# Altium PCB VALVEBOARD_Kun.PcbDoc (part 3 of 13)
Units mil, origin at the board's own origin, x right, y up, seen from the top; angles counter-clockwise.
Board outline 10923.41 x 5583.88 mil, 2 copper layers (Top Layer, Bottom Layer), stack 10.8 mil thick; 1127 components, 626 nets, 3503 pads, 1418 vias.
Unrouted connection lines stored in the file: 1.
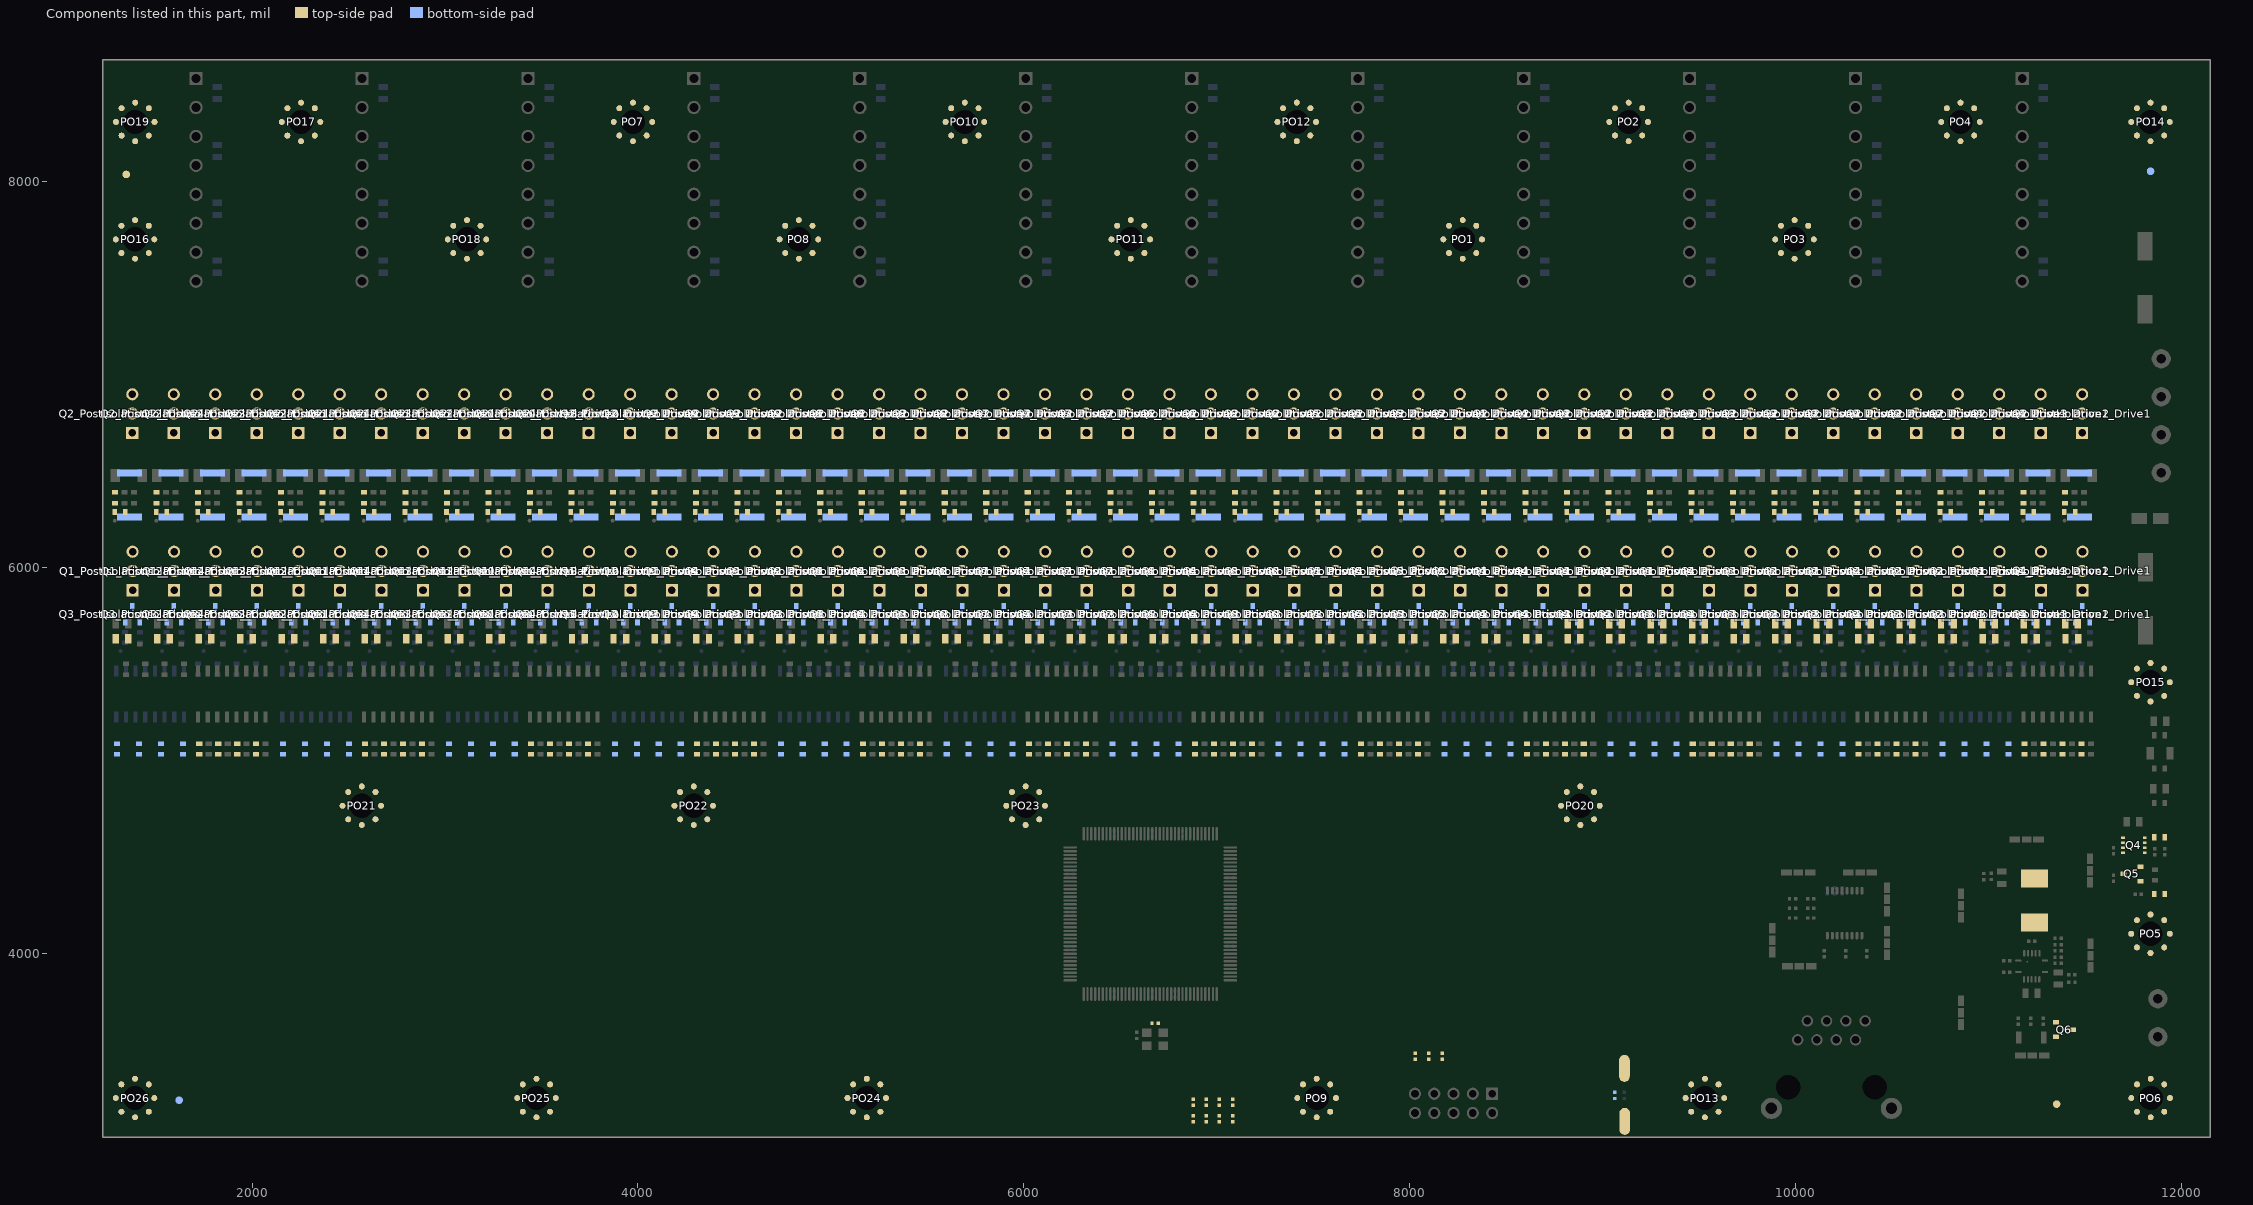
[diagram p3: the components of this part, seen from the top]

## Components (designator, comment, footprint, x,y, rotation, side; value= is the part's Value field where it differs from the comment) (continued)
KEY1 "KEY" KEY735SO 9111.96,3267.14 r90 top
L1 "BMRA000606303R3MA1" FXL0624 11238,4274.67 r90 top value=3.3uH
LED1 "LED" LED0603 11886.19,4601.99 r180 top
LED2 "LED" LED0603 11886.19,4308.02 r0 top
MK1 "MARKPOINT" MARKPOINT-1.0#1 11839.4,8053.85 r90 bottom
MK2 "MARKPOINT" MARKPOINT-1.0#1 1621.75,3239.38 r90 bottom
MK3 "MARKPOINT" MARKPOINT-1.0#2 1347.84,8037.39 r90 top
MK4 "MARKPOINT" MARKPOINT-1.0#2 11352.86,3219.25 r90 top
PO1 "POSHOLE" POSHOLE-3.2 8274.29,7700.66 r0 top
PO2 "POSHOLE" POSHOLE-3.2 9134.38,8309.6 r0 top
PO3 "POSHOLE" POSHOLE-3.2 9994.44,7700.66 r0 top
PO4 "POSHOLE" POSHOLE-3.2 10854.46,8309.6 r0 top
PO5 "POSHOLE" POSHOLE-3.2 11839.4,4101.85 r0 top
PO6 "POSHOLE" POSHOLE-3.2 11839.89,3250.51 r0 top
PO7 "POSHOLE" POSHOLE-3.2 3974.12,8309.6 r0 top
PO8 "POSHOLE" POSHOLE-3.2 4833.98,7700.66 r0 top
PO9 "POSHOLE" POSHOLE-3.2 7517.45,3250.51 r0 top
PO10 "POSHOLE" POSHOLE-3.2 5694.21,8309.6 r0 top
PO11 "POSHOLE" POSHOLE-3.2 6554.14,7700.66 r0 top
PO12 "POSHOLE" POSHOLE-3.2 7414.29,8309.6 r0 top
PO13 "POSHOLE" POSHOLE-3.2 9529.69,3250.51 r0 top
PO14 "POSHOLE" POSHOLE-3.2 11839.4,8309.6 r0 top
PO15 "POSHOLE" POSHOLE-3.2 11839.4,5405.46 r0 top
PO16 "POSHOLE" POSHOLE-3.2 1393.68,7700.66 r0 top
PO17 "POSHOLE" POSHOLE-3.2 2254.04,8309.52 r0 top
PO18 "POSHOLE" POSHOLE-3.2 3113.83,7700.66 r0 top
PO19 "POSHOLE" POSHOLE-3.2 1394.34,8309.52 r0 top
PO20 "POSHOLE" POSHOLE-3.2 8884.42,4765.56 r90 top
PO21 "POSHOLE" POSHOLE-3.2 2568.85,4765.56 r90 top
PO22 "POSHOLE" POSHOLE-3.2 4288.97,4765.56 r90 top
PO23 "POSHOLE" POSHOLE-3.2 6009.09,4765.56 r90 top
PO24 "POSHOLE" POSHOLE-3.2 5185.77,3250.51 r0 top
PO25 "POSHOLE" POSHOLE-3.2 3473.9,3250.51 r0 top
PO26 "POSHOLE" POSHOLE-3.2 1393.68,3250.51 r0 top
Q1_PostIsolation1_Drive1 "IRF9640" TO-220AB 11486.61,5982.18 r90 top (schematic designator Q1)
Q1_PostIsolation1_Drive2 "IRF9640" TO-220AB 11271.6,5982.05 r90 top (schematic designator Q1)
Q1_PostIsolation1_Drive3 "IRF9640" TO-220AB 11056.45,5982.05 r90 top (schematic designator Q1)
Q1_PostIsolation1_Drive4 "IRF9640" TO-220AB 10841.68,5982.05 r90 top (schematic designator Q1)
Q1_PostIsolation2_Drive1 "IRF9640" TO-220AB 10626.55,5982.05 r90 top (schematic designator Q1)
Q1_PostIsolation2_Drive2 "IRF9640" TO-220AB 10411.54,5982.05 r90 top (schematic designator Q1)
Q1_PostIsolation2_Drive3 "IRF9640" TO-220AB 10196.52,5982.05 r90 top (schematic designator Q1)
Q1_PostIsolation2_Drive4 "IRF9640" TO-220AB 9981.51,5982.05 r90 top (schematic designator Q1)
Q1_PostIsolation3_Drive1 "IRF9640" TO-220AB 9766.49,5982.05 r90 top (schematic designator Q1)
Q1_PostIsolation3_Drive2 "IRF9640" TO-220AB 9551.48,5982.05 r90 top (schematic designator Q1)
Q1_PostIsolation3_Drive3 "IRF9640" TO-220AB 9336.46,5982.05 r90 top (schematic designator Q1)
Q1_PostIsolation3_Drive4 "IRF9640" TO-220AB 9121.45,5982.05 r90 top (schematic designator Q1)
Q1_PostIsolation4_Drive1 "IRF9640" TO-220AB 8906.43,5981.92 r90 top (schematic designator Q1)
Q1_PostIsolation4_Drive2 "IRF9640" TO-220AB 8691.42,5982.05 r90 top (schematic designator Q1)
Q1_PostIsolation4_Drive3 "IRF9640" TO-220AB 8476.4,5982.05 r90 top (schematic designator Q1)
Q1_PostIsolation4_Drive4 "IRF9640" TO-220AB 8261.39,5982.5 r90 top (schematic designator Q1)
Q1_PostIsolation5_Drive1 "IRF9640" TO-220AB 8046.37,5982.05 r90 top (schematic designator Q1)
Q1_PostIsolation5_Drive2 "IRF9640" TO-220AB 7831.36,5982.05 r90 top (schematic designator Q1)
Q1_PostIsolation5_Drive3 "IRF9640" TO-220AB 7616.34,5982.05 r90 top (schematic designator Q1)
Q1_PostIsolation5_Drive4 "IRF9640" TO-220AB 7401.33,5982.05 r90 top (schematic designator Q1)
Q1_PostIsolation6_Drive1 "IRF9640" TO-220AB 7186.31,5982.05 r90 top (schematic designator Q1)
Q1_PostIsolation6_Drive2 "IRF9640" TO-220AB 6971.3,5982.05 r90 top (schematic designator Q1)
Q1_PostIsolation6_Drive3 "IRF9640" TO-220AB 6756.28,5982.05 r90 top (schematic designator Q1)
Q1_PostIsolation6_Drive4 "IRF9640" TO-220AB 6541.26,5982.05 r90 top (schematic designator Q1)
Q1_PostIsolation7_Drive1 "IRF9640" TO-220AB 6326.25,5982.05 r90 top (schematic designator Q1)
Q1_PostIsolation7_Drive2 "IRF9640" TO-220AB 6111.23,5982.05 r90 top (schematic designator Q1)
Q1_PostIsolation7_Drive3 "IRF9640" TO-220AB 5896.22,5982.05 r90 top (schematic designator Q1)
Q1_PostIsolation7_Drive4 "IRF9640" TO-220AB 5681.2,5982.05 r90 top (schematic designator Q1)
Q1_PostIsolation8_Drive1 "IRF9640" TO-220AB 5466.19,5982.05 r90 top (schematic designator Q1)
Q1_PostIsolation8_Drive2 "IRF9640" TO-220AB 5251.17,5982.05 r90 top (schematic designator Q1)
Q1_PostIsolation8_Drive3 "IRF9640" TO-220AB 5036.16,5982.05 r90 top (schematic designator Q1)
Q1_PostIsolation8_Drive4 "IRF9640" TO-220AB 4821.14,5982.05 r90 top (schematic designator Q1)
Q1_PostIsolation9_Drive1 "IRF9640" TO-220AB 4606.13,5982.05 r90 top (schematic designator Q1)
Q1_PostIsolation9_Drive2 "IRF9640" TO-220AB 4391.11,5982.05 r90 top (schematic designator Q1)
Q1_PostIsolation9_Drive3 "IRF9640" TO-220AB 4176.1,5982.05 r90 top (schematic designator Q1)
Q1_PostIsolation9_Drive4 "IRF9640" TO-220AB 3961.08,5982.05 r90 top (schematic designator Q1)
Q1_PostIsolation10_Drive1 "IRF9640" TO-220AB 3746.07,5982.05 r90 top (schematic designator Q1)
Q1_PostIsolation10_Drive2 "IRF9640" TO-220AB 3531.05,5982.05 r90 top (schematic designator Q1)
Q1_PostIsolation10_Drive3 "IRF9640" TO-220AB 3316.04,5982.05 r90 top (schematic designator Q1)
Q1_PostIsolation10_Drive4 "IRF9640" TO-220AB 3101.02,5982.05 r90 top (schematic designator Q1)
Q1_PostIsolation11_Drive1 "IRF9640" TO-220AB 2886.01,5982.05 r90 top (schematic designator Q1)
Q1_PostIsolation11_Drive2 "IRF9640" TO-220AB 2670.99,5982.05 r90 top (schematic designator Q1)
Q1_PostIsolation11_Drive3 "IRF9640" TO-220AB 2455.98,5982.05 r90 top (schematic designator Q1)
Q1_PostIsolation11_Drive4 "IRF9640" TO-220AB 2240.96,5982.05 r90 top (schematic designator Q1)
Q1_PostIsolation12_Drive1 "IRF9640" TO-220AB 2025.95,5982.05 r90 top (schematic designator Q1)
Q1_PostIsolation12_Drive2 "IRF9640" TO-220AB 1810.93,5982.05 r90 top (schematic designator Q1)
Q1_PostIsolation12_Drive3 "IRF9640" TO-220AB 1595.92,5982.05 r90 top (schematic designator Q1)
Q1_PostIsolation12_Drive4 "IRF9640" TO-220AB 1380.9,5982.05 r90 top (schematic designator Q1)
Q2_PostIsolation1_Drive1 "IRF640N" TO-220AB 11484.95,6797.95 r90 top (schematic designator Q2)
Q2_PostIsolation1_Drive2 "IRF640N" TO-220AB 11269.94,6797.82 r90 top (schematic designator Q2)
Q2_PostIsolation1_Drive3 "IRF640N" TO-220AB 11054.79,6797.82 r90 top (schematic designator Q2)
Q2_PostIsolation1_Drive4 "IRF640N" TO-220AB 10840.01,6797.82 r90 top (schematic designator Q2)
Q2_PostIsolation2_Drive1 "IRF640N" TO-220AB 10624.89,6797.82 r90 top (schematic designator Q2)
Q2_PostIsolation2_Drive2 "IRF640N" TO-220AB 10409.88,6797.82 r90 top (schematic designator Q2)
Q2_PostIsolation2_Drive3 "IRF640N" TO-220AB 10194.86,6797.82 r90 top (schematic designator Q2)
Q2_PostIsolation2_Drive4 "IRF640N" TO-220AB 9979.85,6797.82 r90 top (schematic designator Q2)
Q2_PostIsolation3_Drive1 "IRF640N" TO-220AB 9764.83,6797.82 r90 top (schematic designator Q2)
Q2_PostIsolation3_Drive2 "IRF640N" TO-220AB 9549.82,6797.82 r90 top (schematic designator Q2)
Q2_PostIsolation3_Drive3 "IRF640N" TO-220AB 9334.8,6797.82 r90 top (schematic designator Q2)
Q2_PostIsolation3_Drive4 "IRF640N" TO-220AB 9119.79,6797.82 r90 top (schematic designator Q2)
Q2_PostIsolation4_Drive1 "IRF640N" TO-220AB 8904.77,6797.69 r90 top (schematic designator Q2)
Q2_PostIsolation4_Drive2 "IRF640N" TO-220AB 8689.76,6797.82 r90 top (schematic designator Q2)
Q2_PostIsolation4_Drive3 "IRF640N" TO-220AB 8474.74,6797.82 r90 top (schematic designator Q2)
Q2_PostIsolation4_Drive4 "IRF640N" TO-220AB 8259.72,6798.26 r90 top (schematic designator Q2)
Q2_PostIsolation5_Drive1 "IRF640N" TO-220AB 8044.71,6797.82 r90 top (schematic designator Q2)
Q2_PostIsolation5_Drive2 "IRF640N" TO-220AB 7829.69,6797.82 r90 top (schematic designator Q2)
Q2_PostIsolation5_Drive3 "IRF640N" TO-220AB 7614.68,6797.82 r90 top (schematic designator Q2)
Q2_PostIsolation5_Drive4 "IRF640N" TO-220AB 7399.66,6797.82 r90 top (schematic designator Q2)
Q2_PostIsolation6_Drive1 "IRF640N" TO-220AB 7184.65,6797.82 r90 top (schematic designator Q2)
Q2_PostIsolation6_Drive2 "IRF640N" TO-220AB 6969.63,6797.82 r90 top (schematic designator Q2)
Q2_PostIsolation6_Drive3 "IRF640N" TO-220AB 6754.62,6797.82 r90 top (schematic designator Q2)
Q2_PostIsolation6_Drive4 "IRF640N" TO-220AB 6539.6,6797.82 r90 top (schematic designator Q2)
Q2_PostIsolation7_Drive1 "IRF640N" TO-220AB 6324.59,6797.82 r90 top (schematic designator Q2)
Q2_PostIsolation7_Drive2 "IRF640N" TO-220AB 6109.57,6797.82 r90 top (schematic designator Q2)
Q2_PostIsolation7_Drive3 "IRF640N" TO-220AB 5894.56,6797.82 r90 top (schematic designator Q2)
Q2_PostIsolation7_Drive4 "IRF640N" TO-220AB 5679.54,6797.82 r90 top (schematic designator Q2)
Q2_PostIsolation8_Drive1 "IRF640N" TO-220AB 5464.53,6797.82 r90 top (schematic designator Q2)
Q2_PostIsolation8_Drive2 "IRF640N" TO-220AB 5249.51,6797.82 r90 top (schematic designator Q2)
Q2_PostIsolation8_Drive3 "IRF640N" TO-220AB 5034.5,6797.82 r90 top (schematic designator Q2)
Q2_PostIsolation8_Drive4 "IRF640N" TO-220AB 4819.48,6797.82 r90 top (schematic designator Q2)
Q2_PostIsolation9_Drive1 "IRF640N" TO-220AB 4604.47,6797.82 r90 top (schematic designator Q2)
Q2_PostIsolation9_Drive2 "IRF640N" TO-220AB 4389.45,6797.82 r90 top (schematic designator Q2)
Q2_PostIsolation9_Drive3 "IRF640N" TO-220AB 4174.44,6797.82 r90 top (schematic designator Q2)
Q2_PostIsolation9_Drive4 "IRF640N" TO-220AB 3959.42,6797.82 r90 top (schematic designator Q2)
Q2_PostIsolation10_Drive1 "IRF640N" TO-220AB 3744.41,6797.82 r90 top (schematic designator Q2)
Q2_PostIsolation10_Drive2 "IRF640N" TO-220AB 3529.39,6797.82 r90 top (schematic designator Q2)
Q2_PostIsolation10_Drive3 "IRF640N" TO-220AB 3314.38,6797.82 r90 top (schematic designator Q2)
Q2_PostIsolation10_Drive4 "IRF640N" TO-220AB 3099.36,6797.82 r90 top (schematic designator Q2)
Q2_PostIsolation11_Drive1 "IRF640N" TO-220AB 2884.34,6797.82 r90 top (schematic designator Q2)
Q2_PostIsolation11_Drive2 "IRF640N" TO-220AB 2669.33,6797.82 r90 top (schematic designator Q2)
Q2_PostIsolation11_Drive3 "IRF640N" TO-220AB 2454.31,6797.82 r90 top (schematic designator Q2)
Q2_PostIsolation11_Drive4 "IRF640N" TO-220AB 2239.3,6797.82 r90 top (schematic designator Q2)
Q2_PostIsolation12_Drive1 "IRF640N" TO-220AB 2024.28,6797.82 r90 top (schematic designator Q2)
Q2_PostIsolation12_Drive2 "IRF640N" TO-220AB 1809.27,6797.82 r90 top (schematic designator Q2)
Q2_PostIsolation12_Drive3 "IRF640N" TO-220AB 1594.25,6797.82 r90 top (schematic designator Q2)
Q2_PostIsolation12_Drive4 "IRF640N" TO-220AB 1379.24,6797.82 r90 top (schematic designator Q2)
Q3_PostIsolation1_Drive1 "BSS131H6327XTSA1" BSS131H6327XTSA1 11485.85,5757.85 r90 bottom (schematic designator Q3)
Q3_PostIsolation1_Drive2 "BSS131H6327XTSA1" BSS131H6327XTSA1 11270.84,5757.72 r90 bottom (schematic designator Q3)
Q3_PostIsolation1_Drive3 "BSS131H6327XTSA1" BSS131H6327XTSA1 11055.7,5757.72 r90 bottom (schematic designator Q3)
Q3_PostIsolation1_Drive4 "BSS131H6327XTSA1" BSS131H6327XTSA1 10840.92,5757.72 r90 bottom (schematic designator Q3)
Q3_PostIsolation2_Drive1 "BSS131H6327XTSA1" BSS131H6327XTSA1 10625.8,5757.72 r90 bottom (schematic designator Q3)
Q3_PostIsolation2_Drive2 "BSS131H6327XTSA1" BSS131H6327XTSA1 10410.78,5757.72 r90 bottom (schematic designator Q3)
Q3_PostIsolation2_Drive3 "BSS131H6327XTSA1" BSS131H6327XTSA1 10195.76,5757.72 r90 bottom (schematic designator Q3)
Q3_PostIsolation2_Drive4 "BSS131H6327XTSA1" BSS131H6327XTSA1 9980.75,5757.72 r90 bottom (schematic designator Q3)
Q3_PostIsolation3_Drive1 "BSS131H6327XTSA1" BSS131H6327XTSA1 9765.73,5757.72 r90 bottom (schematic designator Q3)
Q3_PostIsolation3_Drive2 "BSS131H6327XTSA1" BSS131H6327XTSA1 9550.72,5757.72 r90 bottom (schematic designator Q3)
Q3_PostIsolation3_Drive3 "BSS131H6327XTSA1" BSS131H6327XTSA1 9335.7,5757.72 r90 bottom (schematic designator Q3)
Q3_PostIsolation3_Drive4 "BSS131H6327XTSA1" BSS131H6327XTSA1 9120.69,5757.72 r90 bottom (schematic designator Q3)
Q3_PostIsolation4_Drive1 "BSS131H6327XTSA1" BSS131H6327XTSA1 8905.67,5757.59 r90 bottom (schematic designator Q3)
Q3_PostIsolation4_Drive2 "BSS131H6327XTSA1" BSS131H6327XTSA1 8690.66,5757.72 r90 bottom (schematic designator Q3)
Q3_PostIsolation4_Drive3 "BSS131H6327XTSA1" BSS131H6327XTSA1 8475.64,5757.72 r90 bottom (schematic designator Q3)
Q3_PostIsolation4_Drive4 "BSS131H6327XTSA1" BSS131H6327XTSA1 8260.63,5758.17 r90 bottom (schematic designator Q3)
Q3_PostIsolation5_Drive1 "BSS131H6327XTSA1" BSS131H6327XTSA1 8045.61,5757.72 r90 bottom (schematic designator Q3)
Q3_PostIsolation5_Drive2 "BSS131H6327XTSA1" BSS131H6327XTSA1 7830.6,5757.72 r90 bottom (schematic designator Q3)
Q3_PostIsolation5_Drive3 "BSS131H6327XTSA1" BSS131H6327XTSA1 7615.58,5757.72 r90 bottom (schematic designator Q3)
Q3_PostIsolation5_Drive4 "BSS131H6327XTSA1" BSS131H6327XTSA1 7400.57,5757.72 r90 bottom (schematic designator Q3)
Q3_PostIsolation6_Drive1 "BSS131H6327XTSA1" BSS131H6327XTSA1 7185.55,5757.72 r90 bottom (schematic designator Q3)
Q3_PostIsolation6_Drive2 "BSS131H6327XTSA1" BSS131H6327XTSA1 6970.54,5757.72 r90 bottom (schematic designator Q3)
Q3_PostIsolation6_Drive3 "BSS131H6327XTSA1" BSS131H6327XTSA1 6755.52,5757.72 r90 bottom (schematic designator Q3)
Q3_PostIsolation6_Drive4 "BSS131H6327XTSA1" BSS131H6327XTSA1 6540.51,5757.72 r90 bottom (schematic designator Q3)
Q3_PostIsolation7_Drive1 "BSS131H6327XTSA1" BSS131H6327XTSA1 6325.49,5757.72 r90 bottom (schematic designator Q3)
Q3_PostIsolation7_Drive2 "BSS131H6327XTSA1" BSS131H6327XTSA1 6110.48,5757.72 r90 bottom (schematic designator Q3)
Q3_PostIsolation7_Drive3 "BSS131H6327XTSA1" BSS131H6327XTSA1 5895.46,5757.72 r90 bottom (schematic designator Q3)
Q3_PostIsolation7_Drive4 "BSS131H6327XTSA1" BSS131H6327XTSA1 5680.45,5757.72 r90 bottom (schematic designator Q3)
Q3_PostIsolation8_Drive1 "BSS131H6327XTSA1" BSS131H6327XTSA1 5465.43,5757.72 r90 bottom (schematic designator Q3)
Q3_PostIsolation8_Drive2 "BSS131H6327XTSA1" BSS131H6327XTSA1 5250.42,5757.72 r90 bottom (schematic designator Q3)
Q3_PostIsolation8_Drive3 "BSS131H6327XTSA1" BSS131H6327XTSA1 5035.4,5757.72 r90 bottom (schematic designator Q3)
Q3_PostIsolation8_Drive4 "BSS131H6327XTSA1" BSS131H6327XTSA1 4820.38,5757.72 r90 bottom (schematic designator Q3)
Q3_PostIsolation9_Drive1 "BSS131H6327XTSA1" BSS131H6327XTSA1 4605.37,5757.72 r90 bottom (schematic designator Q3)
Q3_PostIsolation9_Drive2 "BSS131H6327XTSA1" BSS131H6327XTSA1 4390.35,5757.72 r90 bottom (schematic designator Q3)
Q3_PostIsolation9_Drive3 "BSS131H6327XTSA1" BSS131H6327XTSA1 4175.34,5757.72 r90 bottom (schematic designator Q3)
Q3_PostIsolation9_Drive4 "BSS131H6327XTSA1" BSS131H6327XTSA1 3960.32,5757.72 r90 bottom (schematic designator Q3)
Q3_PostIsolation10_Drive1 "BSS131H6327XTSA1" BSS131H6327XTSA1 3745.31,5757.72 r90 bottom (schematic designator Q3)
Q3_PostIsolation10_Drive2 "BSS131H6327XTSA1" BSS131H6327XTSA1 3530.29,5757.72 r90 bottom (schematic designator Q3)
Q3_PostIsolation10_Drive3 "BSS131H6327XTSA1" BSS131H6327XTSA1 3315.28,5757.72 r90 bottom (schematic designator Q3)
Q3_PostIsolation10_Drive4 "BSS131H6327XTSA1" BSS131H6327XTSA1 3100.26,5757.72 r90 bottom (schematic designator Q3)
Q3_PostIsolation11_Drive1 "BSS131H6327XTSA1" BSS131H6327XTSA1 2885.25,5757.73 r90 bottom (schematic designator Q3)
Q3_PostIsolation11_Drive2 "BSS131H6327XTSA1" BSS131H6327XTSA1 2670.23,5757.73 r90 bottom (schematic designator Q3)
Q3_PostIsolation11_Drive3 "BSS131H6327XTSA1" BSS131H6327XTSA1 2455.22,5757.73 r90 bottom (schematic designator Q3)
Q3_PostIsolation11_Drive4 "BSS131H6327XTSA1" BSS131H6327XTSA1 2240.2,5757.73 r90 bottom (schematic designator Q3)
Q3_PostIsolation12_Drive1 "BSS131H6327XTSA1" BSS131H6327XTSA1 2025.19,5757.72 r90 bottom (schematic designator Q3)
Q3_PostIsolation12_Drive2 "BSS131H6327XTSA1" BSS131H6327XTSA1 1810.17,5757.72 r90 bottom (schematic designator Q3)
Q3_PostIsolation12_Drive3 "BSS131H6327XTSA1" BSS131H6327XTSA1 1595.16,5757.72 r90 bottom (schematic designator Q3)
Q3_PostIsolation12_Drive4 "BSS131H6327XTSA1" BSS131H6327XTSA1 1380.14,5757.72 r90 bottom (schematic designator Q3)
Q4 "WSD30L40DN" WSD30L40DN 11752.75,4560.88 r270 top
Q5 "2N7002" 2N7002 11743.16,4412.36 r180 top
Q6 "AO3400A" AO3400A 11392.83,3604.93 r0 top
R1 "R" R0402 6679.89,3638.51 r180 top value=22R
R2 "R" R0402 8027.79,3467.21 r90 top value=1K
R3 "R" R0402 8097.79,3467.21 r90 top value=1K
R4 "R" R0402 8167.79,3467.21 r270 top value=1K
R5 "R" R0402 6876.96,3142.89 r270 top value=1K
R6 "R" R0402 6945.29,3142.89 r270 top value=1K
R7 "R" R0402 7013.63,3142.89 r270 top value=1K
R8 "R" R0402 7081.96,3142.89 r270 top value=1K
R9 "R" R0402 6876.96,3227.89 r270 top value=1K
R10 "R" R0402 6945.29,3227.89 r270 top value=1K
R11 "R" R0402 7013.63,3227.89 r270 top value=1K
R12 "R" R0402 7081.96,3227.89 r270 top value=1K
R13 "R" R0402 9062.53,3264.09 r90 bottom value=1K
R14_PostIsolation1_Isolation1 "R" R0603 11102.17,5059.85 r90 bottom value=100R (schematic designator R14)
R14_PostIsolation2_Isolation2 "R" R0603 10242.05,5059.87 r90 bottom value=100R (schematic designator R14)
R14_PostIsolation3_Isolation3 "R" R0603 9381.99,5059.87 r90 bottom value=100R (schematic designator R14)
R14_PostIsolation4_Isolation4 "R" R0603 8521.98,5060.3 r90 bottom value=100R (schematic designator R14)
R14_PostIsolation5_Isolation5 "R" R0603 7661.92,5059.85 r90 bottom value=100R (schematic designator R14)
R14_PostIsolation6_Isolation6 "R" R0603 6801.86,5059.85 r90 bottom value=100R (schematic designator R14)
R14_PostIsolation7_Isolation7 "R" R0603 5941.8,5059.85 r90 bottom value=100R (schematic designator R14)
R14_PostIsolation8_Isolation8 "R" R0603 5081.74,5059.85 r90 bottom value=100R (schematic designator R14)
R14_PostIsolation9_Isolation9 "R" R0603 4221.68,5059.85 r90 bottom value=100R (schematic designator R14)
R14_PostIsolation10_Isolation10 "R" R0603 3361.62,5059.85 r90 bottom value=100R (schematic designator R14)
R14_PostIsolation11_Isolation11 "R" R0603 2501.56,5059.85 r90 bottom value=100R (schematic designator R14)
R14_PostIsolation12_Isolation12 "R" R0603 1641.5,5059.85 r90 bottom value=100R (schematic designator R14)
R15_PostIsolation1_Isolation1 "R" R0603 10988.36,5059.85 r90 bottom value=100R (schematic designator R15)
R15_PostIsolation2_Isolation2 "R" R0603 10128.23,5059.87 r90 bottom value=100R (schematic designator R15)
R15_PostIsolation3_Isolation3 "R" R0603 9268.17,5059.87 r90 bottom value=100R (schematic designator R15)
R15_PostIsolation4_Isolation4 "R" R0603 8408.17,5060.3 r90 bottom value=100R (schematic designator R15)
R15_PostIsolation5_Isolation5 "R" R0603 7548.11,5059.85 r90 bottom value=100R (schematic designator R15)
R15_PostIsolation6_Isolation6 "R" R0603 6688.04,5059.85 r90 bottom value=100R (schematic designator R15)
R15_PostIsolation7_Isolation7 "R" R0603 5827.98,5059.85 r90 bottom value=100R (schematic designator R15)
R15_PostIsolation8_Isolation8 "R" R0603 4967.92,5059.85 r90 bottom value=100R (schematic designator R15)
R15_PostIsolation9_Isolation9 "R" R0603 4107.86,5059.85 r90 bottom value=100R (schematic designator R15)
R15_PostIsolation10_Isolation10 "R" R0603 3247.8,5059.85 r90 bottom value=100R (schematic designator R15)
R15_PostIsolation11_Isolation11 "R" R0603 2387.74,5059.85 r90 bottom value=100R (schematic designator R15)
R15_PostIsolation12_Isolation12 "R" R0603 1527.68,5059.85 r90 bottom value=100R (schematic designator R15)
R16_PostIsolation1_Isolation1 "R" R0603 10874.54,5059.85 r90 bottom value=100R (schematic designator R16)
R16_PostIsolation2_Isolation2 "R" R0603 10014.41,5059.87 r90 bottom value=100R (schematic designator R16)
R16_PostIsolation3_Isolation3 "R" R0603 9154.35,5059.87 r90 bottom value=100R (schematic designator R16)
R16_PostIsolation4_Isolation4 "R" R0603 8294.35,5060.3 r90 bottom value=100R (schematic designator R16)
R16_PostIsolation5_Isolation5 "R" R0603 7434.29,5059.85 r90 bottom value=100R (schematic designator R16)
R16_PostIsolation6_Isolation6 "R" R0603 6574.23,5059.85 r90 bottom value=100R (schematic designator R16)
R16_PostIsolation7_Isolation7 "R" R0603 5714.16,5059.85 r90 bottom value=100R (schematic designator R16)
R16_PostIsolation8_Isolation8 "R" R0603 4854.1,5059.85 r90 bottom value=100R (schematic designator R16)
R16_PostIsolation9_Isolation9 "R" R0603 3994.04,5059.85 r90 bottom value=100R (schematic designator R16)
R16_PostIsolation10_Isolation10 "R" R0603 3133.98,5059.85 r90 bottom value=100R (schematic designator R16)
R16_PostIsolation11_Isolation11 "R" R0603 2273.92,5059.85 r90 bottom value=100R (schematic designator R16)
R16_PostIsolation12_Isolation12 "R" R0603 1413.86,5059.85 r90 bottom value=100R (schematic designator R16)
R17_PostIsolation1_Isolation1 "R" R0603 10760.72,5059.85 r90 bottom value=100R (schematic designator R17)
R17_PostIsolation2_Isolation2 "R" R0603 9900.6,5059.87 r90 bottom value=100R (schematic designator R17)
R17_PostIsolation3_Isolation3 "R" R0603 9040.53,5059.87 r90 bottom value=100R (schematic designator R17)
R17_PostIsolation4_Isolation4 "R" R0603 8180.53,5060.3 r90 bottom value=100R (schematic designator R17)
R17_PostIsolation5_Isolation5 "R" R0603 7320.47,5059.85 r90 bottom value=100R (schematic designator R17)
R17_PostIsolation6_Isolation6 "R" R0603 6460.41,5059.85 r90 bottom value=100R (schematic designator R17)
R17_PostIsolation7_Isolation7 "R" R0603 5600.35,5059.85 r90 bottom value=100R (schematic designator R17)
R17_PostIsolation8_Isolation8 "R" R0603 4740.29,5059.85 r90 bottom value=100R (schematic designator R17)
R17_PostIsolation9_Isolation9 "R" R0603 3880.22,5059.85 r90 bottom value=100R (schematic designator R17)
R17_PostIsolation10_Isolation10 "R" R0603 3020.16,5059.85 r90 bottom value=100R (schematic designator R17)
R17_PostIsolation11_Isolation11 "R" R0603 2160.1,5059.85 r90 bottom value=100R (schematic designator R17)
R17_PostIsolation12_Isolation12 "R" R0603 1300.04,5059.85 r90 bottom value=100R (schematic designator R17)
R18_PostIsolation1_Isolation1 "R" R0603 11186.94,5059.85 r90 top value=100R (schematic designator R18)
R18_PostIsolation2_Isolation2 "R" R0603 10326.82,5059.87 r90 top value=100R (schematic designator R18)
R18_PostIsolation3_Isolation3 "R" R0603 9466.76,5059.87 r90 top value=100R (schematic designator R18)
R18_PostIsolation4_Isolation4 "R" R0603 8606.75,5060.3 r90 top value=100R (schematic designator R18)
R18_PostIsolation5_Isolation5 "R" R0603 7746.69,5059.85 r90 top value=100R (schematic designator R18)
R18_PostIsolation6_Isolation6 "R" R0603 6886.63,5059.85 r90 top value=100R (schematic designator R18)
R18_PostIsolation7_Isolation7 "R" R0603 6026.57,5059.85 r90 top value=100R (schematic designator R18)
R18_PostIsolation8_Isolation8 "R" R0603 5166.51,5059.85 r90 top value=100R (schematic designator R18)
R18_PostIsolation9_Isolation9 "R" R0603 4306.45,5059.85 r90 top value=100R (schematic designator R18)
R18_PostIsolation10_Isolation10 "R" R0603 3446.39,5059.85 r90 top value=100R (schematic designator R18)
R18_PostIsolation11_Isolation11 "R" R0603 2586.32,5059.85 r90 top value=100R (schematic designator R18)
R18_PostIsolation12_Isolation12 "R" R0603 1726.26,5059.85 r90 top value=100R (schematic designator R18)
R19_PostIsolation1_Isolation1 "R" R0603 11285.25,5059.85 r90 top value=100R (schematic designator R19)
R19_PostIsolation2_Isolation2 "R" R0603 10425.13,5059.87 r90 top value=100R (schematic designator R19)
R19_PostIsolation3_Isolation3 "R" R0603 9565.07,5059.87 r90 top value=100R (schematic designator R19)
R19_PostIsolation4_Isolation4 "R" R0603 8705.06,5060.3 r90 top value=100R (schematic designator R19)
R19_PostIsolation5_Isolation5 "R" R0603 7845,5059.85 r90 top value=100R (schematic designator R19)
R19_PostIsolation6_Isolation6 "R" R0603 6984.94,5059.85 r90 top value=100R (schematic designator R19)
R19_PostIsolation7_Isolation7 "R" R0603 6124.88,5059.85 r90 top value=100R (schematic designator R19)
R19_PostIsolation8_Isolation8 "R" R0603 5264.82,5059.85 r90 top value=100R (schematic designator R19)
R19_PostIsolation9_Isolation9 "R" R0603 4404.76,5059.85 r90 top value=100R (schematic designator R19)
R19_PostIsolation10_Isolation10 "R" R0603 3544.7,5059.85 r90 top value=100R (schematic designator R19)
R19_PostIsolation11_Isolation11 "R" R0603 2684.64,5059.85 r90 top value=100R (schematic designator R19)
R19_PostIsolation12_Isolation12 "R" R0603 1824.58,5059.85 r90 top value=100R (schematic designator R19)
R20_PostIsolation1_Isolation1 "R" R0603 11383.71,5059.85 r90 top value=100R (schematic designator R20)
R20_PostIsolation2_Isolation2 "R" R0603 10523.58,5059.87 r90 top value=100R (schematic designator R20)
R20_PostIsolation3_Isolation3 "R" R0603 9663.52,5059.87 r90 top value=100R (schematic designator R20)
R20_PostIsolation4_Isolation4 "R" R0603 8803.52,5060.3 r90 top value=100R (schematic designator R20)
R20_PostIsolation5_Isolation5 "R" R0603 7943.46,5059.85 r90 top value=100R (schematic designator R20)
R20_PostIsolation6_Isolation6 "R" R0603 7083.4,5059.85 r90 top value=100R (schematic designator R20)
R20_PostIsolation7_Isolation7 "R" R0603 6223.33,5059.85 r90 top value=100R (schematic designator R20)
R20_PostIsolation8_Isolation8 "R" R0603 5363.27,5059.85 r90 top value=100R (schematic designator R20)
R20_PostIsolation9_Isolation9 "R" R0603 4503.21,5059.85 r90 top value=100R (schematic designator R20)
R20_PostIsolation10_Isolation10 "R" R0603 3643.15,5059.85 r90 top value=100R (schematic designator R20)
R20_PostIsolation11_Isolation11 "R" R0603 2783.09,5059.85 r90 top value=100R (schematic designator R20)
R20_PostIsolation12_Isolation12 "R" R0603 1923.03,5059.85 r90 top value=100R (schematic designator R20)
R21_PostIsolation1_Isolation1 "R" R0603 11482.09,5059.85 r90 top value=100R (schematic designator R21)
R21_PostIsolation2_Isolation2 "R" R0603 10621.97,5059.87 r90 top value=100R (schematic designator R21)
R21_PostIsolation3_Isolation3 "R" R0603 9761.91,5059.87 r90 top value=100R (schematic designator R21)
R21_PostIsolation4_Isolation4 "R" R0603 8901.9,5060.3 r90 top value=100R (schematic designator R21)
R21_PostIsolation5_Isolation5 "R" R0603 8041.84,5059.85 r90 top value=100R (schematic designator R21)
R21_PostIsolation6_Isolation6 "R" R0603 7181.78,5059.85 r90 top value=100R (schematic designator R21)
R21_PostIsolation7_Isolation7 "R" R0603 6321.72,5059.85 r90 top value=100R (schematic designator R21)
R21_PostIsolation8_Isolation8 "R" R0603 5461.66,5059.85 r90 top value=100R (schematic designator R21)
R21_PostIsolation9_Isolation9 "R" R0603 4601.6,5059.85 r90 top value=100R (schematic designator R21)
R21_PostIsolation10_Isolation10 "R" R0603 3741.54,5059.85 r90 top value=100R (schematic designator R21)
R21_PostIsolation11_Isolation11 "R" R0603 2881.47,5059.85 r90 top value=100R (schematic designator R21)
R21_PostIsolation12_Isolation12 "R" R0603 2021.41,5059.85 r90 top value=100R (schematic designator R21)
R22_PostIsolation1_Drive1 "R" R0805 11431.18,5630.41 r0 top value=33K (schematic designator R22)
R22_PostIsolation1_Drive2 "R" R0805 11216.17,5630.28 r0 top value=33K (schematic designator R22)
R22_PostIsolation1_Drive3 "R" R0805 11001.02,5630.28 r0 top value=33K (schematic designator R22)
R22_PostIsolation1_Drive4 "R" R0805 10786.24,5630.28 r0 top value=33K (schematic designator R22)
R22_PostIsolation2_Drive1 "R" R0805 10571.12,5630.28 r0 top value=33K (schematic designator R22)
R22_PostIsolation2_Drive2 "R" R0805 10356.11,5630.28 r0 top value=33K (schematic designator R22)
R22_PostIsolation2_Drive3 "R" R0805 10141.09,5630.28 r0 top value=33K (schematic designator R22)
R22_PostIsolation2_Drive4 "R" R0805 9926.08,5630.28 r0 top value=33K (schematic designator R22)
R22_PostIsolation3_Drive1 "R" R0805 9711.06,5630.28 r0 top value=33K (schematic designator R22)
R22_PostIsolation3_Drive2 "R" R0805 9496.04,5630.28 r0 top value=33K (schematic designator R22)
R22_PostIsolation3_Drive3 "R" R0805 9281.03,5630.28 r0 top value=33K (schematic designator R22)
R22_PostIsolation3_Drive4 "R" R0805 9066.01,5630.28 r0 top value=33K (schematic designator R22)
R22_PostIsolation4_Drive1 "R" R0805 8851,5630.15 r0 top value=33K (schematic designator R22)
R22_PostIsolation4_Drive2 "R" R0805 8635.98,5630.28 r0 top value=33K (schematic designator R22)
R22_PostIsolation4_Drive3 "R" R0805 8420.97,5630.28 r0 top value=33K (schematic designator R22)
R22_PostIsolation4_Drive4 "R" R0805 8205.95,5630.73 r0 top value=33K (schematic designator R22)
R22_PostIsolation5_Drive1 "R" R0805 7990.94,5630.28 r0 top value=33K (schematic designator R22)
R22_PostIsolation5_Drive2 "R" R0805 7775.92,5630.28 r0 top value=33K (schematic designator R22)
R22_PostIsolation5_Drive3 "R" R0805 7560.91,5630.28 r0 top value=33K (schematic designator R22)
R22_PostIsolation5_Drive4 "R" R0805 7345.89,5630.28 r0 top value=33K (schematic designator R22)
R22_PostIsolation6_Drive1 "R" R0805 7130.88,5630.28 r0 top value=33K (schematic designator R22)
R22_PostIsolation6_Drive2 "R" R0805 6915.86,5630.28 r0 top value=33K (schematic designator R22)
R22_PostIsolation6_Drive3 "R" R0805 6700.85,5630.28 r0 top value=33K (schematic designator R22)
R22_PostIsolation6_Drive4 "R" R0805 6485.83,5630.28 r0 top value=33K (schematic designator R22)
R22_PostIsolation7_Drive1 "R" R0805 6270.82,5630.28 r0 top value=33K (schematic designator R22)
R22_PostIsolation7_Drive2 "R" R0805 6055.8,5630.28 r0 top value=33K (schematic designator R22)
R22_PostIsolation7_Drive3 "R" R0805 5840.79,5630.28 r0 top value=33K (schematic designator R22)
R22_PostIsolation7_Drive4 "R" R0805 5625.77,5630.28 r0 top value=33K (schematic designator R22)
R22_PostIsolation8_Drive1 "R" R0805 5410.76,5630.28 r0 top value=33K (schematic designator R22)
R22_PostIsolation8_Drive2 "R" R0805 5195.74,5630.28 r0 top value=33K (schematic designator R22)
R22_PostIsolation8_Drive3 "R" R0805 4980.73,5630.28 r0 top value=33K (schematic designator R22)
R22_PostIsolation8_Drive4 "R" R0805 4765.71,5630.28 r0 top value=33K (schematic designator R22)
R22_PostIsolation9_Drive1 "R" R0805 4550.7,5630.28 r0 top value=33K (schematic designator R22)
R22_PostIsolation9_Drive2 "R" R0805 4335.68,5630.28 r0 top value=33K (schematic designator R22)
R22_PostIsolation9_Drive3 "R" R0805 4120.66,5630.28 r0 top value=33K (schematic designator R22)
R22_PostIsolation9_Drive4 "R" R0805 3905.65,5630.28 r0 top value=33K (schematic designator R22)
R22_PostIsolation10_Drive1 "R" R0805 3690.63,5630.28 r0 top value=33K (schematic designator R22)
R22_PostIsolation10_Drive2 "R" R0805 3475.62,5630.28 r0 top value=33K (schematic designator R22)
R22_PostIsolation10_Drive3 "R" R0805 3260.6,5630.28 r0 top value=33K (schematic designator R22)
R22_PostIsolation10_Drive4 "R" R0805 3045.59,5630.28 r0 top value=33K (schematic designator R22)
R22_PostIsolation11_Drive1 "R" R0805 2830.57,5630.28 r0 top value=33K (schematic designator R22)
R22_PostIsolation11_Drive2 "R" R0805 2615.56,5630.28 r0 top value=33K (schematic designator R22)
R22_PostIsolation11_Drive3 "R" R0805 2400.54,5630.28 r0 top value=33K (schematic designator R22)
R22_PostIsolation11_Drive4 "R" R0805 2185.53,5630.28 r0 top value=33K (schematic designator R22)
R22_PostIsolation12_Drive1 "R" R0805 1970.51,5630.28 r0 top value=33K (schematic designator R22)
R22_PostIsolation12_Drive2 "R" R0805 1755.5,5630.28 r0 top value=33K (schematic designator R22)
R22_PostIsolation12_Drive3 "R" R0805 1540.48,5630.28 r0 top value=33K (schematic designator R22)
R22_PostIsolation12_Drive4 "R" R0805 1325.47,5630.28 r0 top value=33K (schematic designator R22)
R23_PostIsolation1_Drive1 "R" R2512 11471.12,6376.01 r270 bottom value=47K (schematic designator R23)
R23_PostIsolation1_Drive2 "R" R2512 11256.11,6375.88 r270 bottom value=47K (schematic designator R23)
R23_PostIsolation1_Drive3 "R" R2512 11040.96,6375.88 r270 bottom value=47K (schematic designator R23)
R23_PostIsolation1_Drive4 "R" R2512 10826.19,6375.88 r270 bottom value=47K (schematic designator R23)
R23_PostIsolation2_Drive1 "R" R2512 10611.06,6375.88 r270 bottom value=47K (schematic designator R23)
R23_PostIsolation2_Drive2 "R" R2512 10396.05,6375.88 r270 bottom value=47K (schematic designator R23)
R23_PostIsolation2_Drive3 "R" R2512 10181.03,6375.88 r270 bottom value=47K (schematic designator R23)
R23_PostIsolation2_Drive4 "R" R2512 9966.02,6375.88 r270 bottom value=47K (schematic designator R23)
R23_PostIsolation3_Drive1 "R" R2512 9751,6375.88 r270 bottom value=47K (schematic designator R23)
R23_PostIsolation3_Drive2 "R" R2512 9535.99,6375.88 r270 bottom value=47K (schematic designator R23)
R23_PostIsolation3_Drive3 "R" R2512 9320.97,6375.88 r270 bottom value=47K (schematic designator R23)
R23_PostIsolation3_Drive4 "R" R2512 9105.96,6375.88 r270 bottom value=47K (schematic designator R23)
R23_PostIsolation4_Drive1 "R" R2512 8890.94,6375.75 r270 bottom value=47K (schematic designator R23)
R23_PostIsolation4_Drive2 "R" R2512 8675.93,6375.88 r270 bottom value=47K (schematic designator R23)
R23_PostIsolation4_Drive3 "R" R2512 8460.91,6375.88 r270 bottom value=47K (schematic designator R23)
R23_PostIsolation4_Drive4 "R" R2512 8245.9,6376.33 r270 bottom value=47K (schematic designator R23)
R23_PostIsolation5_Drive1 "R" R2512 8030.88,6375.88 r270 bottom value=47K (schematic designator R23)
R23_PostIsolation5_Drive2 "R" R2512 7815.87,6375.88 r270 bottom value=47K (schematic designator R23)
R23_PostIsolation5_Drive3 "R" R2512 7600.85,6375.88 r270 bottom value=47K (schematic designator R23)
R23_PostIsolation5_Drive4 "R" R2512 7385.84,6375.88 r270 bottom value=47K (schematic designator R23)
R23_PostIsolation6_Drive1 "R" R2512 7170.82,6375.88 r270 bottom value=47K (schematic designator R23)
R23_PostIsolation6_Drive2 "R" R2512 6955.8,6375.88 r270 bottom value=47K (schematic designator R23)
R23_PostIsolation6_Drive3 "R" R2512 6740.79,6375.88 r270 bottom value=47K (schematic designator R23)
R23_PostIsolation6_Drive4 "R" R2512 6525.77,6375.88 r270 bottom value=47K (schematic designator R23)
R23_PostIsolation7_Drive1 "R" R2512 6310.76,6375.88 r270 bottom value=47K (schematic designator R23)
R23_PostIsolation7_Drive2 "R" R2512 6095.74,6375.88 r270 bottom value=47K (schematic designator R23)
R23_PostIsolation7_Drive3 "R" R2512 5880.73,6375.88 r270 bottom value=47K (schematic designator R23)
R23_PostIsolation7_Drive4 "R" R2512 5665.71,6375.88 r270 bottom value=47K (schematic designator R23)
R23_PostIsolation8_Drive1 "R" R2512 5450.7,6375.88 r270 bottom value=47K (schematic designator R23)
R23_PostIsolation8_Drive2 "R" R2512 5235.68,6375.88 r270 bottom value=47K (schematic designator R23)
R23_PostIsolation8_Drive3 "R" R2512 5020.67,6375.88 r270 bottom value=47K (schematic designator R23)
R23_PostIsolation8_Drive4 "R" R2512 4805.65,6375.88 r270 bottom value=47K (schematic designator R23)
R23_PostIsolation9_Drive1 "R" R2512 4590.64,6375.88 r270 bottom value=47K (schematic designator R23)
R23_PostIsolation9_Drive2 "R" R2512 4375.62,6375.88 r270 bottom value=47K (schematic designator R23)
R23_PostIsolation9_Drive3 "R" R2512 4160.61,6375.88 r270 bottom value=47K (schematic designator R23)
R23_PostIsolation9_Drive4 "R" R2512 3945.59,6375.88 r270 bottom value=47K (schematic designator R23)
R23_PostIsolation10_Drive1 "R" R2512 3730.58,6375.88 r270 bottom value=47K (schematic designator R23)
R23_PostIsolation10_Drive2 "R" R2512 3515.56,6375.88 r270 bottom value=47K (schematic designator R23)
R23_PostIsolation10_Drive3 "R" R2512 3300.55,6375.88 r270 bottom value=47K (schematic designator R23)
R23_PostIsolation10_Drive4 "R" R2512 3085.53,6375.88 r270 bottom value=47K (schematic designator R23)
R23_PostIsolation11_Drive1 "R" R2512 2870.52,6375.88 r270 bottom value=47K (schematic designator R23)
R23_PostIsolation11_Drive2 "R" R2512 2655.5,6375.88 r270 bottom value=47K (schematic designator R23)
R23_PostIsolation11_Drive3 "R" R2512 2440.49,6375.88 r270 bottom value=47K (schematic designator R23)
R23_PostIsolation11_Drive4 "R" R2512 2225.47,6375.88 r270 bottom value=47K (schematic designator R23)
R23_PostIsolation12_Drive1 "R" R2512 2010.46,6375.88 r270 bottom value=47K (schematic designator R23)
R23_PostIsolation12_Drive2 "R" R2512 1795.44,6375.88 r270 bottom value=47K (schematic designator R23)
R23_PostIsolation12_Drive3 "R" R2512 1580.42,6375.88 r270 bottom value=47K (schematic designator R23)
R23_PostIsolation12_Drive4 "R" R2512 1365.41,6375.88 r270 bottom value=47K (schematic designator R23)
R24_PostIsolation1_Drive1 "R" R0603 11395.34,6361.84 r90 top value=470R (schematic designator R24)
R24_PostIsolation1_Drive2 "R" R0603 11180.33,6361.71 r90 top value=470R (schematic designator R24)
R24_PostIsolation1_Drive3 "R" R0603 10965.18,6361.71 r90 top value=470R (schematic designator R24)
R24_PostIsolation1_Drive4 "R" R0603 10750.41,6361.71 r90 top value=470R (schematic designator R24)
R24_PostIsolation2_Drive1 "R" R0603 10535.28,6361.71 r90 top value=470R (schematic designator R24)
R24_PostIsolation2_Drive2 "R" R0603 10320.27,6361.71 r90 top value=470R (schematic designator R24)
R24_PostIsolation2_Drive3 "R" R0603 10105.25,6361.71 r90 top value=470R (schematic designator R24)
R24_PostIsolation2_Drive4 "R" R0603 9890.24,6361.71 r90 top value=470R (schematic designator R24)
R24_PostIsolation3_Drive1 "R" R0603 9675.22,6361.71 r90 top value=470R (schematic designator R24)
R24_PostIsolation3_Drive2 "R" R0603 9460.21,6361.71 r90 top value=470R (schematic designator R24)
R24_PostIsolation3_Drive3 "R" R0603 9245.19,6361.71 r90 top value=470R (schematic designator R24)
R24_PostIsolation3_Drive4 "R" R0603 9030.18,6361.71 r90 top value=470R (schematic designator R24)
R24_PostIsolation4_Drive1 "R" R0603 8815.16,6361.58 r90 top value=470R (schematic designator R24)
R24_PostIsolation4_Drive2 "R" R0603 8600.15,6361.71 r90 top value=470R (schematic designator R24)
R24_PostIsolation4_Drive3 "R" R0603 8385.13,6361.71 r90 top value=470R (schematic designator R24)
R24_PostIsolation4_Drive4 "R" R0603 8170.12,6362.15 r90 top value=470R (schematic designator R24)
R24_PostIsolation5_Drive1 "R" R0603 7955.1,6361.71 r90 top value=470R (schematic designator R24)
R24_PostIsolation5_Drive2 "R" R0603 7740.09,6361.71 r90 top value=470R (schematic designator R24)
R24_PostIsolation5_Drive3 "R" R0603 7525.07,6361.71 r90 top value=470R (schematic designator R24)
R24_PostIsolation5_Drive4 "R" R0603 7310.06,6361.71 r90 top value=470R (schematic designator R24)
R24_PostIsolation6_Drive1 "R" R0603 7095.04,6361.71 r90 top value=470R (schematic designator R24)
R24_PostIsolation6_Drive2 "R" R0603 6880.03,6361.71 r90 top value=470R (schematic designator R24)
R24_PostIsolation6_Drive3 "R" R0603 6665.01,6361.71 r90 top value=470R (schematic designator R24)
R24_PostIsolation6_Drive4 "R" R0603 6449.99,6361.71 r90 top value=470R (schematic designator R24)
R24_PostIsolation7_Drive1 "R" R0603 6234.98,6361.71 r90 top value=470R (schematic designator R24)
R24_PostIsolation7_Drive2 "R" R0603 6019.96,6361.71 r90 top value=470R (schematic designator R24)
R24_PostIsolation7_Drive3 "R" R0603 5804.95,6361.71 r90 top value=470R (schematic designator R24)
R24_PostIsolation7_Drive4 "R" R0603 5589.93,6361.71 r90 top value=470R (schematic designator R24)
R24_PostIsolation8_Drive1 "R" R0603 5374.92,6361.71 r90 top value=470R (schematic designator R24)
R24_PostIsolation8_Drive2 "R" R0603 5159.9,6361.71 r90 top value=470R (schematic designator R24)
R24_PostIsolation8_Drive3 "R" R0603 4944.89,6361.71 r90 top value=470R (schematic designator R24)
R24_PostIsolation8_Drive4 "R" R0603 4729.87,6361.71 r90 top value=470R (schematic designator R24)
R24_PostIsolation9_Drive1 "R" R0603 4514.86,6361.71 r90 top value=470R (schematic designator R24)
R24_PostIsolation9_Drive2 "R" R0603 4299.84,6361.71 r90 top value=470R (schematic designator R24)
R24_PostIsolation9_Drive3 "R" R0603 4084.83,6361.71 r90 top value=470R (schematic designator R24)
R24_PostIsolation9_Drive4 "R" R0603 3869.81,6361.71 r90 top value=470R (schematic designator R24)
R24_PostIsolation10_Drive1 "R" R0603 3654.8,6361.71 r90 top value=470R (schematic designator R24)
R24_PostIsolation10_Drive2 "R" R0603 3439.78,6361.71 r90 top value=470R (schematic designator R24)
R24_PostIsolation10_Drive3 "R" R0603 3224.77,6361.71 r90 top value=470R (schematic designator R24)
R24_PostIsolation10_Drive4 "R" R0603 3009.75,6361.71 r90 top value=470R (schematic designator R24)
R24_PostIsolation11_Drive1 "R" R0603 2794.74,6361.71 r90 top value=470R (schematic designator R24)
R24_PostIsolation11_Drive2 "R" R0603 2579.72,6361.71 r90 top value=470R (schematic designator R24)
R24_PostIsolation11_Drive3 "R" R0603 2364.71,6361.71 r90 top value=470R (schematic designator R24)
R24_PostIsolation11_Drive4 "R" R0603 2149.69,6361.71 r90 top value=470R (schematic designator R24)
R24_PostIsolation12_Drive1 "R" R0603 1934.68,6361.71 r90 top value=470R (schematic designator R24)
R24_PostIsolation12_Drive2 "R" R0603 1719.66,6361.71 r90 top value=470R (schematic designator R24)
R24_PostIsolation12_Drive3 "R" R0603 1504.65,6361.71 r90 top value=470R (schematic designator R24)
R24_PostIsolation12_Drive4 "R" R0603 1289.63,6361.71 r90 top value=470R (schematic designator R24)
R25_PostIsolation1_Drive1 "R" R0603 11420.75,6288.13 r0 top value=4.7K (schematic designator R25)
R25_PostIsolation1_Drive2 "R" R0603 11205.74,6288 r0 top value=4.7K (schematic designator R25)
R25_PostIsolation1_Drive3 "R" R0603 10990.6,6288 r0 top value=4.7K (schematic designator R25)
R25_PostIsolation1_Drive4 "R" R0603 10775.82,6288 r0 top value=4.7K (schematic designator R25)
R25_PostIsolation2_Drive1 "R" R0603 10560.7,6288 r0 top value=4.7K (schematic designator R25)
R25_PostIsolation2_Drive2 "R" R0603 10345.68,6288 r0 top value=4.7K (schematic designator R25)
R25_PostIsolation2_Drive3 "R" R0603 10130.67,6288 r0 top value=4.7K (schematic designator R25)
R25_PostIsolation2_Drive4 "R" R0603 9915.65,6288 r0 top value=4.7K (schematic designator R25)
R25_PostIsolation3_Drive1 "R" R0603 9700.64,6288 r0 top value=4.7K (schematic designator R25)
R25_PostIsolation3_Drive2 "R" R0603 9485.62,6288 r0 top value=4.7K (schematic designator R25)
R25_PostIsolation3_Drive3 "R" R0603 9270.61,6288 r0 top value=4.7K (schematic designator R25)
R25_PostIsolation3_Drive4 "R" R0603 9055.59,6288 r0 top value=4.7K (schematic designator R25)
R25_PostIsolation4_Drive1 "R" R0603 8840.57,6287.87 r0 top value=4.7K (schematic designator R25)
R25_PostIsolation4_Drive2 "R" R0603 8625.56,6288 r0 top value=4.7K (schematic designator R25)
R25_PostIsolation4_Drive3 "R" R0603 8410.54,6288 r0 top value=4.7K (schematic designator R25)
R25_PostIsolation4_Drive4 "R" R0603 8195.53,6288.45 r0 top value=4.7K (schematic designator R25)
R25_PostIsolation5_Drive1 "R" R0603 7980.51,6288 r0 top value=4.7K (schematic designator R25)
R25_PostIsolation5_Drive2 "R" R0603 7765.5,6288 r0 top value=4.7K (schematic designator R25)
R25_PostIsolation5_Drive3 "R" R0603 7550.48,6288 r0 top value=4.7K (schematic designator R25)
R25_PostIsolation5_Drive4 "R" R0603 7335.47,6288 r0 top value=4.7K (schematic designator R25)
R25_PostIsolation6_Drive1 "R" R0603 7120.45,6288 r0 top value=4.7K (schematic designator R25)
R25_PostIsolation6_Drive2 "R" R0603 6905.44,6288 r0 top value=4.7K (schematic designator R25)
R25_PostIsolation6_Drive3 "R" R0603 6690.42,6288 r0 top value=4.7K (schematic designator R25)
R25_PostIsolation6_Drive4 "R" R0603 6475.41,6288 r0 top value=4.7K (schematic designator R25)
R25_PostIsolation7_Drive1 "R" R0603 6260.39,6288 r0 top value=4.7K (schematic designator R25)
R25_PostIsolation7_Drive2 "R" R0603 6045.38,6288 r0 top value=4.7K (schematic designator R25)
R25_PostIsolation7_Drive3 "R" R0603 5830.36,6288 r0 top value=4.7K (schematic designator R25)
R25_PostIsolation7_Drive4 "R" R0603 5615.35,6288 r0 top value=4.7K (schematic designator R25)
R25_PostIsolation8_Drive1 "R" R0603 5400.33,6288 r0 top value=4.7K (schematic designator R25)
R25_PostIsolation8_Drive2 "R" R0603 5185.32,6288 r0 top value=4.7K (schematic designator R25)
R25_PostIsolation8_Drive3 "R" R0603 4970.3,6288 r0 top value=4.7K (schematic designator R25)
R25_PostIsolation8_Drive4 "R" R0603 4755.29,6288 r0 top value=4.7K (schematic designator R25)
R25_PostIsolation9_Drive1 "R" R0603 4540.27,6288 r0 top value=4.7K (schematic designator R25)
R25_PostIsolation9_Drive2 "R" R0603 4325.26,6288 r0 top value=4.7K (schematic designator R25)
R25_PostIsolation9_Drive3 "R" R0603 4110.24,6288 r0 top value=4.7K (schematic designator R25)
R25_PostIsolation9_Drive4 "R" R0603 3895.23,6288 r0 top value=4.7K (schematic designator R25)
R25_PostIsolation10_Drive1 "R" R0603 3680.21,6288 r0 top value=4.7K (schematic designator R25)
R25_PostIsolation10_Drive2 "R" R0603 3465.19,6288 r0 top value=4.7K (schematic designator R25)
R25_PostIsolation10_Drive3 "R" R0603 3250.18,6288 r0 top value=4.7K (schematic designator R25)
R25_PostIsolation10_Drive4 "R" R0603 3035.16,6288 r0 top value=4.7K (schematic designator R25)
R25_PostIsolation11_Drive1 "R" R0603 2820.15,6288 r0 top value=4.7K (schematic designator R25)
R25_PostIsolation11_Drive2 "R" R0603 2605.13,6288 r0 top value=4.7K (schematic designator R25)
R25_PostIsolation11_Drive3 "R" R0603 2390.12,6288 r0 top value=4.7K (schematic designator R25)
R25_PostIsolation11_Drive4 "R" R0603 2175.1,6288 r0 top value=4.7K (schematic designator R25)
R25_PostIsolation12_Drive1 "R" R0603 1960.09,6288 r0 top value=4.7K (schematic designator R25)
R25_PostIsolation12_Drive2 "R" R0603 1745.07,6288 r0 top value=4.7K (schematic designator R25)
R25_PostIsolation12_Drive3 "R" R0603 1530.06,6288 r0 top value=4.7K (schematic designator R25)
R25_PostIsolation12_Drive4 "R" R0603 1315.04,6288 r0 top value=4.7K (schematic designator R25)
R26_PostIsolation1_Drive1 "R" R0805 11430.76,5708.87 r180 top value=100K (schematic designator R26)
R26_PostIsolation1_Drive2 "R" R0805 11215.75,5708.74 r180 top value=100K (schematic designator R26)
R26_PostIsolation1_Drive3 "R" R0805 11000.6,5708.74 r180 top value=100K (schematic designator R26)
R26_PostIsolation1_Drive4 "R" R0805 10785.82,5708.74 r180 top value=100K (schematic designator R26)
R26_PostIsolation2_Drive1 "R" R0805 10570.7,5708.74 r180 top value=100K (schematic designator R26)
R26_PostIsolation2_Drive2 "R" R0805 10355.69,5708.74 r180 top value=100K (schematic designator R26)
R26_PostIsolation2_Drive3 "R" R0805 10140.67,5708.74 r180 top value=100K (schematic designator R26)
R26_PostIsolation2_Drive4 "R" R0805 9925.66,5708.74 r180 top value=100K (schematic designator R26)
R26_PostIsolation3_Drive1 "R" R0805 9710.64,5708.74 r180 top value=100K (schematic designator R26)
R26_PostIsolation3_Drive2 "R" R0805 9495.63,5708.74 r180 top value=100K (schematic designator R26)
R26_PostIsolation3_Drive3 "R" R0805 9280.61,5708.74 r180 top value=100K (schematic designator R26)
R26_PostIsolation3_Drive4 "R" R0805 9065.6,5708.74 r180 top value=100K (schematic designator R26)
R26_PostIsolation4_Drive1 "R" R0805 8850.58,5708.61 r180 top value=100K (schematic designator R26)